# Altium PCB Bran_Main_Assay_PCB_v1.PcbDoc (part 3 of 4) (continued)
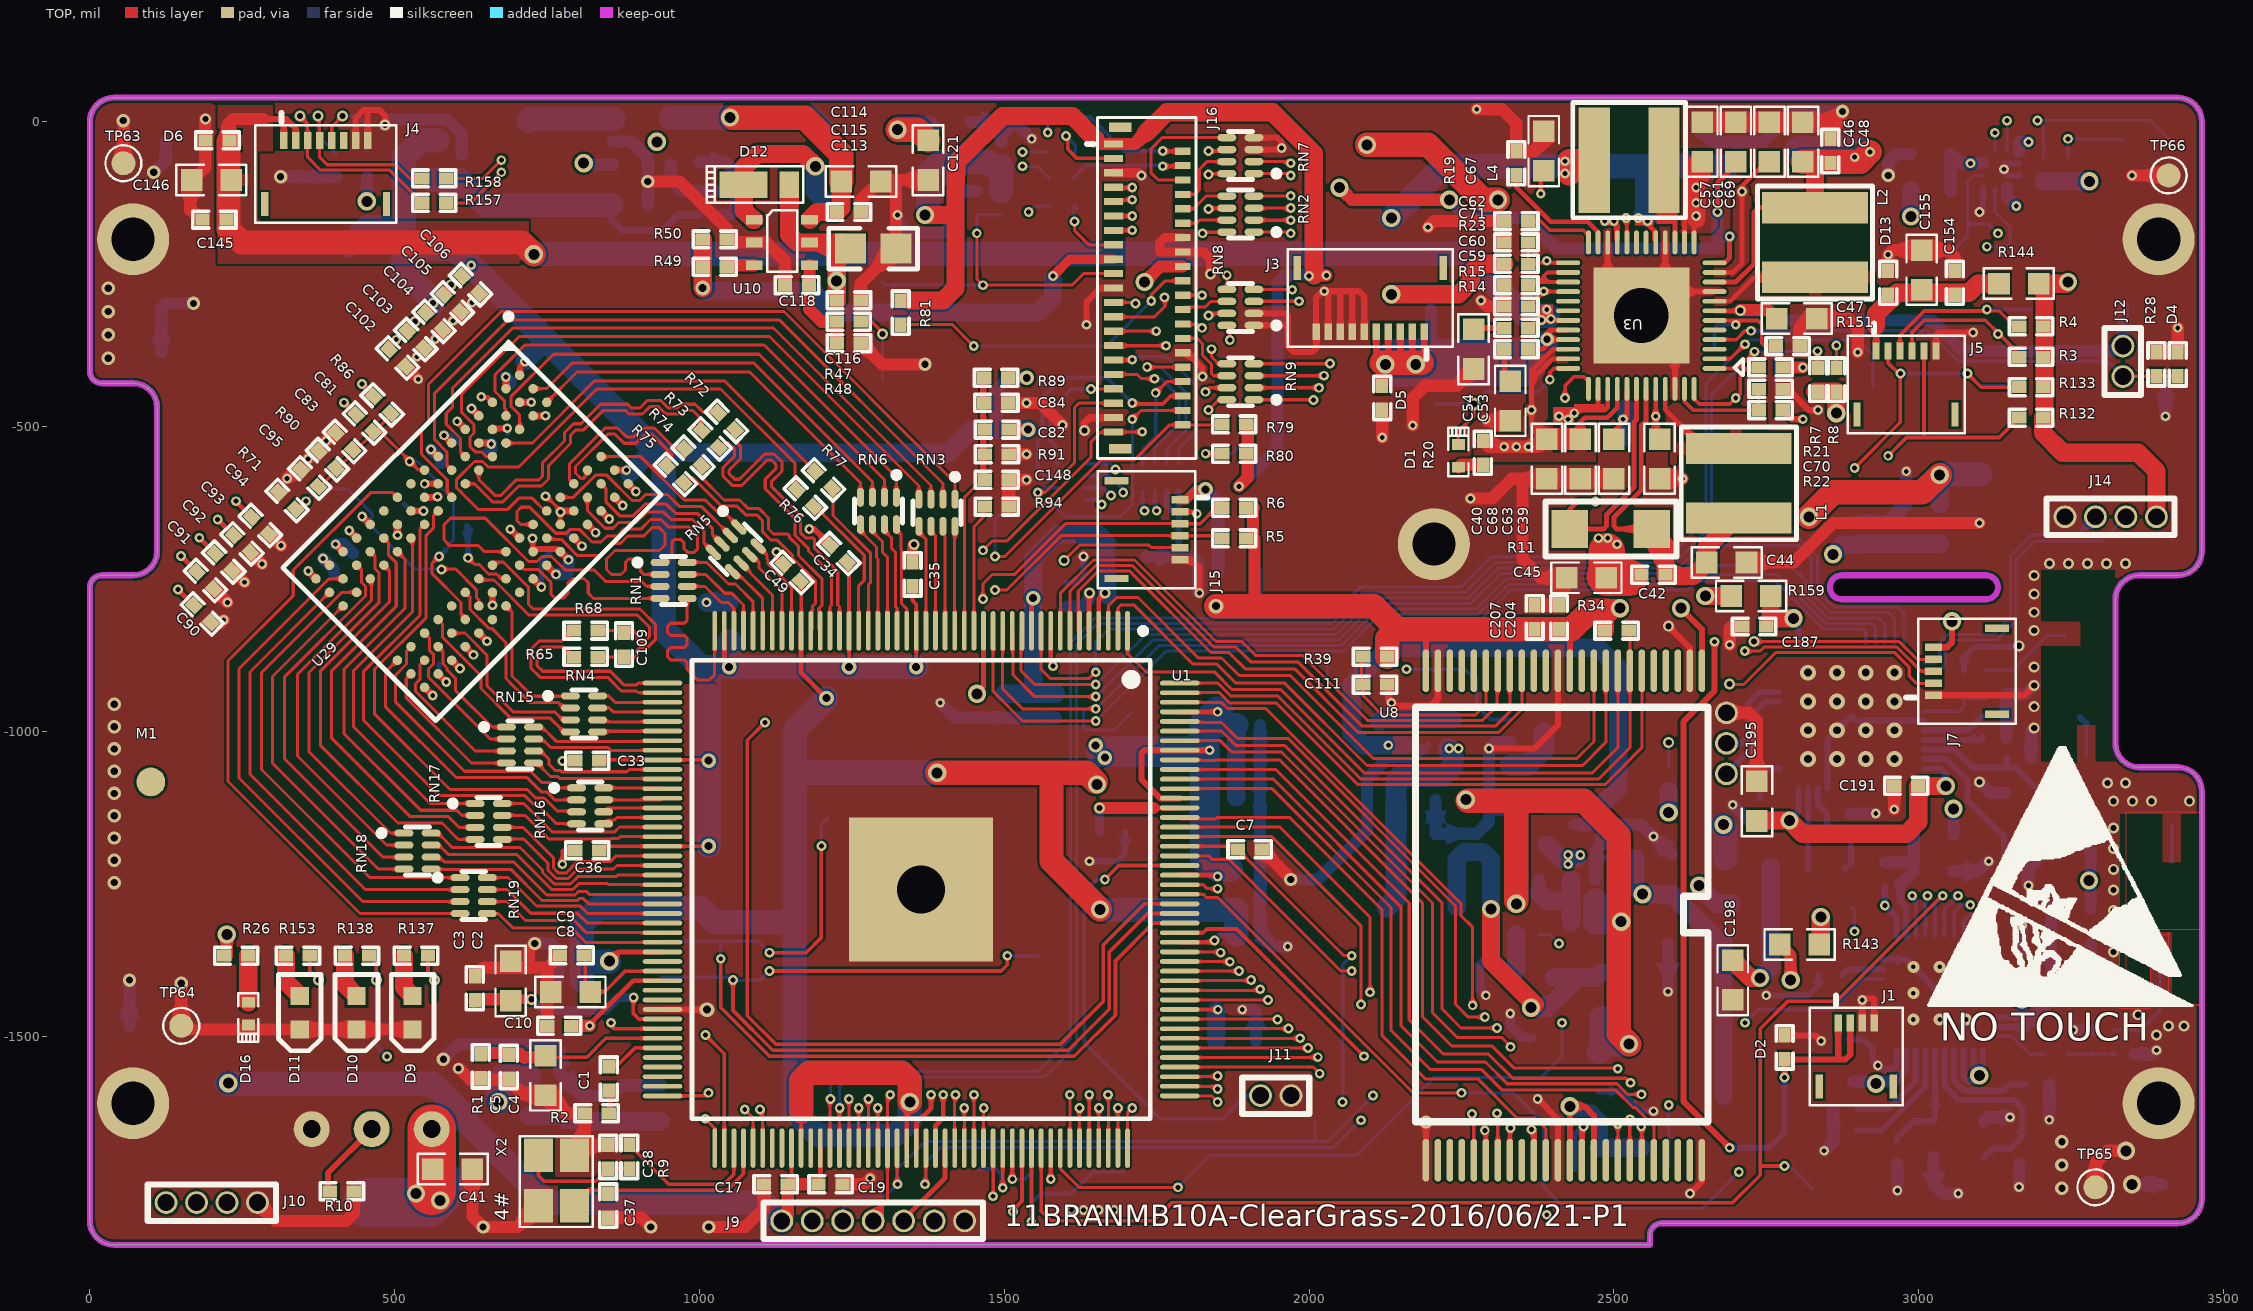
[diagram p0: TOP view]
## Nets (pads, with @x,y where several pads share a name; then routed paths per layer and width w, separated by ;. In a path a pad name is that pad's centre, name@x,y a point inside that pad or via, vN(x,y) a via of type N, cw(c..) or ccw(c..) an arc to the next point about the centre after c; other vN are vias at no path point) (continued)
  Singal w5: v1(1710,-108.15) 1775,-108.15 v1(1835,-48.15)
N16976088: J16.8 RN7.7 | length 114.6
  TOP w5: J16.8@1792.53,-119.29 1812.37,-119.29 1820.5,-111.16 1820.5,-77.5 1832.37,-65.63 1864.96,-65.63 RN7.7@1865.12,-65.47
N16976091: J16.9 RN7.8 | length 201.9
  TOP w5: J16.9@1679.34,-131.1 1682.29,-128.15 v1(1710,-128.15) ; v1@1840.84,-85.16 RN7.8@1865.12,-85.16
  TOP w6: v1@1839.37,-86.63 v1@1840.84,-85.16
  Singal w5: v1(1710,-128.15) 1793.48,-128.15 v1(1835,-86.63)
  Singal w6: v1@1839.37,-86.63 v1@1840.37,-87.63
N16976439: J16.15 R54.1 | length 121.5
  TOP w5: v1@1615,-163.15 1615,-163.63 1615,-178.15 1638.82,-201.97 J16.15@1679.34,-201.97
  BOTTOM w5: v1@1614.69,-162.94 R54.1@1614.69,-138.15 R54.1@1620,-143.46
  other v1: 1615.37,-163.63
N16977236: J16.25 RN8.5 | length 259.8
  TOP w5: J16.25@1679.34,-320.08 1746.37,-320.08 1764.37,-302.08 1764.37,-289.74 v1(1762.77,-288.14) ; RN8.5@1865.12,-275.1 v1(1865.12,-251.75) v1@1865.12,-248.27
  Singal w5: v1(1762.77,-288.14) 1762.77,-273.63 1767.57,-268.83 1848.04,-268.83 v1(1865.12,-251.75)
N16977237: J16.24 RN8.6 | length 78.2
  TOP w5: J16.24@1792.53,-308.27 1797.15,-303.65 1830.15,-303.65 1839.01,-294.79 RN8.6@1865.12,-294.79
N16977238: J16.23 RN8.7 | length 193.8
  TOP w5: J16.23@1679.34,-296.46 v1@1713.31,-296.46 ; v1(1835,-318.15) 1838.68,-314.47 RN8.7@1865.12,-314.47
  Singal w5: v1@1715,-298.15 v1@1715.13,-298.28 ; v1(1715.26,-298.15) 1735.26,-318.15 v1(1835,-318.15)
N16977239: J16.22 RN8.8 | length 169.1
  TOP w5: J16.22@1792.53,-284.65 v1(1824.37,-284.63) ; RN8.8@1865.12,-334.16 1870,-339.04 v1(1870,-358.15)
  Singal w5: v1(1824.37,-284.63) 1856.48,-284.63 1870,-298.15 v1(1870,-358.15)
N16977240: J16.29 RN9.5 | length 206.9
  TOP w5: v1(1840,-373.15) 1840,-385.42 1849,-394.42 1849,-397.1 RN9.5@1865.12,-397.1
  TOP w6: J16.29@1679.34,-367.32 1765.06,-367.32 v1(1765.37,-367.63)
  Singal w5: v1(1765.37,-367.63) 1770.89,-373.15 v1(1840,-373.15)
N16977241: J16.28 RN9.6 | length 118.4
  TOP w5: J16.28@1792.53,-355.51 1816.37,-355.51 1825.5,-364.64 1825.5,-383.65 1840,-398.15 1840,-413.66 1843.13,-416.79 RN9.6@1865.12,-416.79 RN9.6@1864.96,-416.63
N16977242: J16.27 RN9.7 | length 253.9
  TOP w5: J16.27@1679.34,-343.7 1749.37,-343.7 v1(1749.37,-343.63)
  TOP w6: v1(1830,-443.15) 1836.68,-436.47 RN9.7@1865.12,-436.47
  Singal w5: v1(1749.37,-343.63) 1749.37,-384.63 1807.89,-443.15 v1(1830,-443.15)
N16977243: J16.26 RN9.8 | length 255.4
  TOP w5: J16.26@1792.53,-331.89 1793.29,-332.65 1818.87,-332.65 v1(1824.37,-338.15) ; v1(1835,-473.15) 1851.99,-456.16 RN9.8@1865.12,-456.16
  Singal w5: v1(1824.37,-338.15) 1825.51,-338.15 1872.37,-385.01 1872.37,-463.63 1865.37,-470.63 v1@1837.52,-470.63
N16977551: J16.34 RN10.5 | length 178.3
  TOP w5: v1(1748.37,-444.78) 1766.77,-426.38 J16.34@1792.53,-426.38
  BOTTOM w6: RN10.5@1727.19,-562.57 1727.37,-562.39 1727.37,-537.63 1748.37,-516.63 v1(1748.37,-444.78)
N16977552: J16.33 RN10.6 | length 250.7
  TOP w5: J16.33@1679.34,-414.57 1717.94,-414.57 1725,-421.63 v1(1746.37,-421.63)
  BOTTOM w5: v1(1746.37,-421.63) 1757.37,-421.63 1786.37,-450.63 1786.37,-495.63 1746.37,-535.63 1746.37,-562.05 RN10.6@1746.88,-562.57
N16977553: J16.32 RN10.7 | length 270.9
  TOP w5: v1(1734.37,-402.63) 1734.5,-402.76 J16.32@1792.53,-402.76
  BOTTOM w5: v1(1734.37,-402.63) 1756.37,-402.63 1798.37,-444.63 1798.37,-505.63 1766.37,-537.63 1766.37,-562.37 RN10.7@1766.56,-562.57
N16977554: J16.31 RN10.8 | length 304.2
  TOP w5: J16.31@1679.34,-390.94 1710,-390.94 1714.95,-390.94 v1@1715.26,-390.63
  BOTTOM w5: v1(1710,-390.63) 1715,-385.63 1766.87,-385.63 1815.37,-433.63 1815.37,-507.78 1786.25,-536.89 RN10.8@1786.25,-562.57
N16977555: J16.38 RN11.5 | length 380.2
  TOP w5: v1@1710.48,-488.15 v1(1710,-488.15) 1724.53,-473.62 J16.38@1792.53,-473.62
  BOTTOM w5: RN11.5@1587.12,-620.16 1587.12,-635.27 1599.48,-647.63 1690.52,-647.63 1710,-628.15 v1(1710,-488.15)
N16977556: J16.37 RN11.6 | length 273.5
  TOP w5: v1(1555,-608.15) 1566.85,-608.15 1615.37,-559.63 1615.37,-468.81 1622.37,-461.81 J16.37@1679.34,-461.81
  BOTTOM w5: v1(1555,-608.15) 1557.45,-608.15 1565.13,-600.47 RN11.6@1587.12,-600.47
N16977557: J16.36 RN11.7 | length 422.6
  TOP w6: v1@1711.52,-463.15 1760,-463.15 1773.15,-450 J16.36@1792.53,-450
  BOTTOM w6: RN11.7@1587.12,-580.79 1565.13,-580.79 1555,-570.66 1555,-524.22 1562.64,-516.57 1562.64,-452.36 1595.37,-419.63 1668,-419.63 v1(1710,-461.63)
N16977558: J16.35 RN11.8 | length 212.4
  TOP w5: v1(1642.37,-438.63) 1641.93,-438.19 1642.37,-438.19 J16.35@1679.34,-438.19
  BOTTOM w6: RN11.8@1587.12,-561.1 1585,-558.98 1585,-533.73 1575,-523.73 1575,-473.63 1610,-438.63 v1(1642.37,-438.63)
N16978242: J16.10 RN2.5 | length 81.9
  TOP w5: J16.10@1792.53,-142.91 1811.32,-142.91 1811.32,-141.83 1831.05,-122.1 RN2.5@1865.12,-122.1
N16978245: J16.11 RN2.6 | length 185.5
  TOP w5: J16.11@1679.34,-154.72 v1@1708.43,-154.72 ; v1@1836.36,-141.79 RN2.6@1865.12,-141.79
  Singal w5: v1(1710,-154.72) 1720.09,-144.63 ; 1721.57,-143.15 v1(1835,-143.15)
N16978418: J16.12 RN2.7 | length 74.7
  TOP w5: J16.12@1792.53,-166.54 1815.09,-166.54 1820.16,-161.47 RN2.7@1865.12,-161.47
N16978424: J16.13 RN2.8 | length 200.8
  TOP w5: J16.13@1679.34,-178.35 v1@1709.72,-178.35
  TOP w6: v1(1825,-183.15) 1826.99,-181.16 RN2.8@1865.12,-181.16
  Singal w5: v1(1710,-178.15) 1725,-163.15 1805,-163.15 v1(1825,-183.15)
N16981473: J15.1 R128.2 | length 303.6
  TOP w15: J15.1@1788.1,-620.08 1798.07,-620.08 1815,-603.15 v6(1830,-603.15)
  BOTTOM w20: v6(1830,-603.15) 1849.87,-623.02 R128.2@1849.87,-738.63 ; R128.2@1851.37,-738.63 1851.37,-627.63
N16986970: C154.2 C155.2 D13.1 J5.1 R144.1 | length 283.9
  TOP w10: J5.1@2930.12,-375.98 2930.12,-334.88
  TOP w30: 2930.12,-334.88 2930.12,-315.51 2955.87,-289.76 2965,-280.63 3005,-280.63 3059.37,-280.63 3082.52,-280.63 3097.52,-265.63 R144.1@3131.87,-265.63 ; R144.1@3132.62,-266.38 R144.1@3133.37,-265.63
N16987380: C156.1 C157.1 D15.1 J7.5 R145.1 | length 609.1
  TOP w10: J7.5@3024.42,-862.2 3047.09,-862.2 3054.57,-854.72 v2(3054.57,-819.72)
  POWER w30: v2(2859.57,-709.72) 2829.57,-709.72 2819.57,-719.72 2819.57,-784.72 2854.57,-819.72 v2(3054.57,-819.72)
  BOTTOM w30: v2(2859.57,-709.72) 2874.88,-694.41 D15.1@2899.57,-694.41 2901.75,-692.22 2934.57,-692.22 C157.1@2979.57,-692.22 R145.1@3034.57,-692.22
N16993544: C158.2 C159.2 D14.1 J6.1 R147.1 | length 218.1
  BOTTOM w30: R147.1@720,-1630.65 C159.2@775,-1630.65 782.19,-1637.83 C158.2@820,-1637.83 ; C158.2@821.93,-1639.77 855,-1639.77 J6.1@937.01,-1639.77
N16998285: C38.2 R9.1 X2.3 | length 194.9
  TOP w6: X2.3@735.94,-1695.47 735.94,-1729.03 735.88,-1729.03 745,-1738.15 830,-1738.15 850.16,-1717.99 850.32,-1717.83 R9.1@885,-1717.83
N17000932: D9.1 R137.2 | length 71.8
  TOP w30: R137.2@515.31,-1368.15 515.31,-1420.07 D9.1@529.37,-1434.13
N17000952: D10.1 R138.2 | length 74.1
  TOP w30: R138.2@418.44,-1368.15 418.44,-1414.58 418.13,-1414.89 D10.1@437.37,-1434.13
N17029739: R74.2 U29.C7 | length 273.3
  TOP w5: U29.C7@793.99,-593.96 786.59,-586.56 786.59,-561.39 845.44,-502.54 865.59,-502.54 880.59,-517.54 891.44,-517.54 906.44,-502.54 925.74,-502.54 958.15,-534.94 R74.2@974,-534.94
N17029768: R75.2 U29.B7 | length 271.6
  TOP w5: U29.B7@816.26,-571.69 816.26,-578.87 809.59,-585.54 805.92,-585.54 796.59,-576.21 796.59,-565.54 849.59,-512.54 861.44,-512.54 876.44,-527.54 895.59,-527.54 910.59,-512.54 921.59,-512.54 954.59,-545.54 954.59,-553.36 R75.2@945,-562.94
N17030637: R73.2 U29.G3 | length 519.9
  TOP w5: U29.G3@615.82,-593.97 631.05,-593.97 660.62,-623.54 677.74,-623.54 703.74,-597.54 740.94,-597.54 752.32,-586.15 752.32,-564.18 788.59,-527.9 788.59,-514.32 797.37,-505.54 809.96,-505.54 841.96,-473.54 878.44,-473.54 884.44,-479.54 906.59,-479.54 918.59,-467.54 932.44,-467.54 944.44,-479.54 967.74,-479.54 973.74,-473.54 988.59,-473.54 1002,-486.94 R73.2@1002,-504.94
N17030639: R72.2 U29.F3 | length 520.2
  TOP w5: U29.F3@638.1,-571.69 638.1,-586.87 664.77,-613.54 673.59,-613.54 699.59,-587.54 736.79,-587.54 742.32,-582.01 742.32,-560.03 778.59,-523.76 778.59,-510.17 793.22,-495.54 805.81,-495.54 824.59,-476.76 837.8,-463.54 882.59,-463.54 888.59,-469.54 902.44,-469.54 914.44,-457.54 936.59,-457.54 948.59,-469.54 963.59,-469.54 969.59,-463.54 992.74,-463.54 1005.15,-475.94 R72.2@1029,-475.94
N17030675: R77.2 U29.D3 | length 608.1
  TOP w5: U29.D3@682.64,-527.15 725.98,-527.15 827.59,-425.54 1041.67,-425.54 R77.2@1188,-571.94
N17030677: R76.2 U29.E7 | length 910.1
  TOP w5: U29.E7@749.45,-638.5 746.55,-638.5 725.59,-617.54 703.59,-617.54 684.59,-636.54 637.59,-636.54 610.02,-608.97 601.29,-600.65 601.29,-587.28 602.62,-585.94 630.82,-557.31 644.06,-557.31 653.29,-566.54 703.59,-566.54 831.59,-438.54 1034.6,-438.54 1156.61,-560.55 1156.61,-600.56 R76.2@1158,-601.94
N17031032: R71.2 U29.L8 | length 421.2
  TOP w5: R71.2@339.18,-637.12 v1(354.59,-622.54) ; v1(577.01,-734.79) 578.18,-733.62 599.67,-733.62 633.91,-767.86 633.91,-780.35 638.1,-784.54 U29.L8@638.1,-794.4
  BOTTOM w5: v1(354.59,-622.54) 374.59,-602.54 422.9,-602.54 462.63,-642.26 462.63,-650.31 460.51,-652.43 460.51,-662.21 531.92,-733.62 575.84,-733.62 v1(577.01,-734.79)
N17174183: Q1.1 U6.2 | length 75.6
  BOTTOM w30: Q1.1@2327.6,-1403.94 2340,-1391.54 U6.2@2340,-1333.43
N17176457: R151.2 TP48.1 U3.6 | length 214.5
  TOP w6: U3.6@2665.08,-326.02 v1@2700,-326.02 ; v1(2700,-333.15) 2700.37,-332.78 2700.37,-326.02 2735.66,-326.02 2742.78,-333.15 2742.78,-363.43 2747.5,-368.15 R151.2@2765.31,-368.15
  BOTTOM w6: TP48.1@2665.08,-373.27 2665.08,-338.07 2670,-333.15 v1(2700,-333.15)
N17203058: D11.1 R153.2 | length 75.4
  TOP w30: R153.2@321.56,-1368.15 321.56,-1411.32 D11.1@344.37,-1434.13
N17337105: C173.1 U7.4 | length 177.6
  BOTTOM w10: U7.4@3058.19,-1523.23 3058.19,-1573.15 3074.77,-1589.72 3139.57,-1589.72 3149.57,-1579.72 C173.1@3174.88,-1579.72
N17337153: C175.2 U7.8 | length 165.7
  BOTTOM w10: C175.2@2899.25,-1619.72 2949.57,-1619.72 2995.2,-1574.09 U7.8@2995.2,-1523.23
N17337155: C176.2 U7.7 | length 201.4
  BOTTOM w10: C176.2@2899.25,-1654.72 2939.57,-1654.72 3010.94,-1583.35 U7.7@3010.94,-1523.23
N17337267: R156.2 U7.40 | length 88.9
  BOTTOM w5.7: U7.40@3128.07,-1500.59 3153.1,-1500.59 3182.23,-1529.72 R156.2@3204.88,-1529.72
N17337269: C181.2 C182.1 R156.1 | length 65.6
  BOTTOM w5.7: R156.1@3244.25,-1529.72 C182.1@3284.25,-1529.72 ; C182.1@3284.57,-1529.41 3309.25,-1529.41
  BOTTOM w10: C182.1@3284.25,-1529.72 C182.1@3284.57,-1529.41 ; C181.2@3319.25,-1529.72 C181.2@3319.57,-1529.41
N17337273: A1.1 C181.1 C183.1 | length 201.2
  BOTTOM w5.7: C181.1@3319.57,-1490.04 C183.1@3354.57,-1490.04 ; C183.1@3364.25,-1490.04 3395.87,-1458.43 A1.1@3395.87,-1346.65
  BOTTOM w10: C183.1@3354.57,-1490.04 C183.1@3364.25,-1490.04
N17338399: C186.1 U11.1 | length 73.5
  BOTTOM w10: C186.1@2739.57,-1110.04 2739.57,-1071.77 2750,-1061.34 U11.1@2770.47,-1061.34
N17338448: C188.1 L10.2 U11.30 | length 130.6
  BOTTOM w5.7: U11.30@3008.66,-966.85 3066.3,-966.85 3074.57,-958.58 C188.1@3074.57,-944.41
  BOTTOM w10: L10.2@3109.57,-944.41 C188.1@3079.57,-944.41 ; C188.1@3079.57,-944.41 C188.1@3074.57,-939.41 3074.57,-944.41 C188.1@3079.57,-944.41
N17338491: C189.1 U11.32 | length 106
  BOTTOM w10: U11.32@3008.66,-998.35 3081.26,-998.35 C189.1@3104.88,-974.72
N17338493: C190.1 U11.33 | length 98
  BOTTOM w10: U11.33@3008.66,-1014.09 3100.51,-1014.09 C190.1@3104.88,-1009.72
N17338533: C193.2 U11.34 X3.1 | length 235.6
  BOTTOM w10: U11.34@3008.66,-1029.84 3059.48,-1029.84 3089.47,-1059.82 3144.57,-1059.82 ; C193.2@3144.88,-1044.72 3144.57,-1045.04 3144.57,-1059.82 ; X3.1@3197.13,-1101.26 3197.13,-1097.28 3159.67,-1059.82 3144.57,-1059.82
N17338541: C192.2 U11.35 X3.3 | length 256.4
  BOTTOM w10: U11.35@3008.66,-1045.59 3045,-1045.59 3080,-1080.59 3080,-1113.15 3137.17,-1170.32 3139.88,-1170.32 C192.2@3139.88,-1224.72
N17338610: L8.2 U11.47 | length 131.3
  BOTTOM w10: U11.47@2818.7,-1093.82 2818.7,-1223.86 L8.2@2819.57,-1224.72
N17338612: L8.1 L9.2 | length 59
  BOTTOM w10: L8.1@2879.57,-1224.72 2880.82,-1223.47 2889.25,-1215.04 L9.2@2889.25,-1169.72
N17338614: C194.2 L9.1 U11.46 | length 82.3
  BOTTOM w10: U11.46@2834.45,-1093.82 2834.45,-1119.61 2849.72,-1134.88 2849.88,-1135.04 L9.1@2849.88,-1169.72
N17361075: D8.1 J4.3 R157.1 | length 358.3
  TOP w5: v3(344.37,9.37) 357.28,-3.54 J4.3@357.28,-30.71 357.28,-58.54 378.37,-79.63 491.8,-79.63 R157.1@545.32,-133.15
  BOTTOM w5: v3(344.37,9.37) 354.37,-0.63 D8.1@354.37,-50.94 D8.1@354.37,-52.63
N167142980: C53.1 R14.1 | length 56.5
  TOP w10: R14.1@2320.32,-373.15 2320.32,-415.96 C53.1@2330,-425.65
N173366961: A1.2 R160.2 | length 60.1
  BOTTOM w5.7: A1.2@3415,-1212.36 R160.2@3415,-1152.83
  BOTTOM w10: A1.2@3414.57,-1212.8 A1.2@3415,-1212.36
N173382921: A2.2 R161.2 | length 66.1
  BOTTOM w5.7: R161.2@3275,-1038.46 A2.2@3275,-987.09
  BOTTOM w10: A2.2@3264.57,-976.65 A2.2@3275,-987.09
NALE: U1.7 U8.17 | length 990.1
  TOP w5: U1.7@1607.68,-835.33 1607.68,-770.47 1650,-728.15 1710,-728.15 1843.48,-861.63 1879.87,-861.63 1904.37,-886.13 1981.37,-886.13 2086.39,-991.15 2306.41,-991.15 2329.41,-968.15 U8.17@2329.41,-900.63
NCE0-N: U1.2 U8.9 | length 1082.7
  TOP w5: U1.2@1686.42,-835.33 1686.42,-797.63 1691.42,-792.63 1712.37,-792.63 1809.37,-889.63 1848.37,-889.63 1879.37,-920.63 1959.37,-920.63 2095,-1056.26 2448.78,-1056.26 2486.89,-1018.15 U8.9@2486.89,-900.63
NCE1-N: U1.3 U8.10 | length 1080.2
  TOP w5: U1.3@1670.68,-835.33 1670.68,-794.63 1684.68,-780.63 1719.37,-780.63 1818.37,-879.63 1856.37,-879.63 1885.37,-908.63 1969.37,-908.63 2105.39,-1044.65 2439.35,-1044.65 2467.29,-1016.71 2467.2,-1016.63 U8.10@2467.2,-900.63
NCLE: U1.6 U8.16 | length 997.9
  TOP w5: U1.6@1623.43,-835.33 1621.37,-835.33 1621.37,-769.86 1654.03,-737.2 1706.15,-737.2 1709.95,-741.01 1709.95,-741.58 1839,-870.63 1868.37,-870.63 1895.37,-897.63 1976.37,-897.63 2080.39,-1001.65 2311.5,-1001.65 2349.37,-963.78 2349.37,-900.91 U8.16@2349.09,-900.63
ND0: U1.174 U8.29 | length 1029.4
  TOP w5: U1.174@1787.8,-952.44 1856.15,-952.44 1866.34,-962.63 1929.1,-962.63 2249.37,-1282.9 2249.37,-1302.52 2268.37,-1321.52 v1(2268.37,-1449.63)
  TOP w6: v1(2267.37,-1627.63) 2269.37,-1629.63 2270.35,-1629.63 U8.29@2270.35,-1703.78
  Singal w5: v1(2267.37,-1627.63) 2267.37,-1450.63 v1(2268.37,-1449.63)
ND1: U1.172 U8.30 | length 1032.8
  TOP w5: U1.172@1787.8,-983.94 1787.8,-985.63 1856.37,-985.63 1882.37,-1011.63 1965.37,-1011.63 2240.37,-1286.63 2240.37,-1447.94 2261.37,-1468.94 v1(2288.37,-1468.63)
  TOP w6: v1(2288.37,-1654.63) 2290.04,-1656.3 U8.30@2290.04,-1703.78
  Singal w5: v1(2288.37,-1654.63) v1(2288.37,-1468.63)
ND2: U1.171 U8.31 | length 1041.9
  TOP w5: U1.171@1787.8,-999.69 1856.37,-999.69 1880.34,-1023.66 1960.4,-1023.66 2218.37,-1281.63 2218.37,-1455.63 2249.37,-1486.63 v1(2308.37,-1486.63)
  TOP w6: v1(2308.37,-1626.63) 2309.72,-1627.98 U8.31@2309.72,-1703.78
  Singal w5: v1(2308.37,-1626.63) v1(2308.37,-1486.63)
ND3: U1.170 U8.32 | length 1043.2
  TOP w5: U1.170@1787.8,-1015.44 1854.37,-1015.44 1873.06,-1034.13 1954.87,-1034.13 2202.37,-1281.63 2202.37,-1461.63 2243.37,-1502.63 2316.37,-1502.63 2330.37,-1516.63 v1(2330.37,-1517.63)
  TOP w6: U8.32@2329.41,-1703.78 2329.41,-1651.59 v1(2330.37,-1650.63)
  Singal w5: v1(2330.37,-1650.63) v1(2330.37,-1517.63)
ND4: U1.168 U8.41 | length 1188.4
  TOP w5: U1.168@1787.8,-1046.94 1788.51,-1047.65 1846.01,-1047.65 1846.72,-1046.94 1951.37,-1046.94 2186.37,-1281.94 2186.37,-1468.63 2234.37,-1516.63 2300.37,-1516.63 2336.37,-1552.63 2505.37,-1552.63 v1(2506.37,-1553.63) ; U8.41@2506.57,-1703.78 v1@2506.57,-1644.72
  Singal w5: v1(2506.37,-1644.52) v1(2506.37,-1553.63)
ND5: U1.167 U8.42 | length 1192.5
  TOP w5: U1.167@1787.8,-1062.69 1945.37,-1062.69 2164.32,-1281.63 2164.32,-1473.63 2164.37,-1473.63 2220.37,-1529.63 2294.37,-1529.63 2333.94,-1569.2 2519.94,-1569.2 v1(2527.37,-1576.63)
  TOP w6: U8.42@2526.26,-1703.78 2526.26,-1636.74 v1(2526.37,-1636.63)
  Singal w5: v1(2526.37,-1636.63) 2526.37,-1577.63 v1(2527.37,-1576.63)
ND6: U1.166 U8.43 | length 1192.8
  TOP w5: U1.166@1787.8,-1078.44 1941.37,-1078.44 2150.57,-1287.63 2150.57,-1482.63 2210.57,-1542.63 2289.37,-1542.63 2325,-1578.26 ; 2325.06,-1578.2 2505.06,-1578.2 2522.48,-1595.63 v1(2545.37,-1595.63)
  TOP w6: U8.43@2545.94,-1703.78 v1@2545.94,-1649.09
  Singal w6: v1(2545,-1648.15) v1@2545,-1596
ND7: U1.165 U8.44 | length 1181.2
  TOP w5: U1.165@1787.8,-1094.19 1939.37,-1094.19 2134.37,-1289.19 2134.37,-1490.63 2198.37,-1554.63 2282.37,-1554.63 2315.89,-1588.15 2502.27,-1588.15 2531.31,-1617.19 2535.19,-1617.19 2565.63,-1647.63 U8.44@2565.63,-1703.78
NDQS: U1.162 U8.35 | length 987.2
  TOP w5: U1.162@1787.8,-1141.43 1790.6,-1144.22 1845.57,-1144.22 1848.37,-1141.43 1968.37,-1141.43 2119.37,-1292.43 2119.37,-1498.63 2191.37,-1570.63 2277.37,-1570.63 2341.37,-1634.63 2371.37,-1634.63 2388.37,-1651.63 2388.37,-1703.69 U8.35@2388.46,-1703.78
NMI-N: R21.1 U1.158 U3.48 | length 1939.3
  TOP w5: U1.158@1787.8,-1204.42 1835,-1204.42 1840.56,-1209.97 1868.71,-1209.97 2051.89,-1393.15 v1(2070,-1393.15)
  TOP w6: U3.48@2631.61,-438.23 2631.61,-454.76 2640,-463.15 2690,-463.15 v1(2700,-453.15) 2707.53,-445.62 2707.53,-414.76 2717.53,-404.76 2737.38,-404.76 2738.7,-404.76 2738.85,-404.62 R21.1@2740.32,-403.15
  Singal w6: v1(2070,-1393.15) 2091.01,-1393.15 2378.37,-1105.79 2378.37,-983.15 2380,-981.52 2380,-463.15 2405,-438.15 2685,-438.15 v1(2700,-453.15)
NRB0-N: R34.2 U1.176 U8.7 | length 1017.9
  TOP w5: U1.176@1787.8,-920.96 1850.12,-920.96 1871.12,-941.96 1948.37,-941.96 2084.56,-1078.15 2475,-1078.15 2526.37,-1026.78 2526.37,-900.74 U8.7@2526.26,-900.63 2526.26,-836.73 R34.2@2524.25,-834.72
NRB1-N: U1.175 U8.6 | length 971.9
  TOP w5: U1.175@1787.8,-936.71 1853.14,-936.71 1870.07,-953.63 1946.37,-953.63 2079.89,-1087.15 2486,-1087.15 2545.94,-1027.2 U8.6@2545.94,-900.63
NRE-N: U1.1 U8.8 | length 1066.8
  TOP w5: U1.1@1702.17,-835.33 1702.17,-872.63 1733.17,-903.63 1734.32,-902.48 1844.37,-902.48 1873.37,-931.48 1953.37,-931.48 2090,-1068.11 2465.04,-1068.11 2506.57,-1026.57 U8.8@2506.57,-900.63
NWE-N: U1.8 U8.18 | length 977.8
  TOP w5: U1.8@1591.94,-835.33 1591.94,-773.48 1646.27,-719.15 1713.73,-719.15 1847.21,-852.63 1889.37,-852.63 1912.37,-875.63 1989.37,-875.63 2095.89,-982.15 2284.55,-982.15 2308.55,-958.15 2308.55,-901.81 U8.18@2309.72,-900.63
NWP-N: C111.2 R39.2 U8.19 | length 341
  TOP w5: C111.2@2086.32,-923.63 R39.2@2086.32,-877.63 ; C111.2@2088.69,-923.63 2088.69,-941.83 2120,-973.15 2272.85,-973.15 2290.04,-955.96 U8.19@2290.04,-900.63
O_RESET: J7.2 J9.3 R131.2 TP27.1 U1.108 | length 2574.8
  TOP w5: v1@1324.22,-1742.37 U1.108@1324.22,-1683.75 U1.108@1325,-1684.53 ; v3(2689.37,-922.63) 2689.89,-923.15 2712.85,-923.15 2765,-871 2960.84,-871 2984.57,-894.72 2984.57,-909.72 2996.1,-921.26 J7.2@3024.42,-921.26
  Singal w5: v1(2105,-1597.64) 2105,-1564.16 2306.23,-1362.93 2365.74,-1362.93 2519.5,-1209.17 2519.5,-1038.65 ; v3(2590,-1018.15) 2560.5,-1018.15 2540,-1038.65 2519.5,-1038.65 ; v3(2689.37,-922.63) 2620.02,-922.63 2519.5,-1023.15 2519.5,-1038.65
  BOTTOM w5: J9.3@1235,-1803.15 1235,-1783.15 1255,-1763.15 1305,-1763.15 v1(1325,-1743.15) 1325,-1718.15 1370,-1673.15 2010,-1673.15 ; TP27.1@2010,-1638.15 2010,-1673.15 ; v1(2105,-1597.64) 2070.5,-1632.14 2070.5,-1632.65 2030,-1673.15 2010,-1673.15 ; R131.2@2590,-1058.46 v3(2590,-1018.15)
ODT: RN19.4 U29.K1 | length 1088.5
  TOP w5: U29.K1@504.47,-616.22 496.78,-608.54 460.59,-608.54 333.59,-735.54 333.59,-777.54 226.59,-884.54 226.59,-1082.54 443.12,-1299.07 RN19.4@607.36,-1299.07
P_RX_UART1: J6.5 TP23.1 U1.152 | length 1602.8
  TOP w6: v1(1055,-1408.15) 1055,-1458.15 1120,-1523.15 1605,-1523.15 1672.37,-1455.78 1672.37,-1361.9 1735.37,-1298.9 U1.152@1787.8,-1298.9 ; v1(1115,-1393.15) 1495,-1393.15 1505,-1383.15 v1(1505,-1368.15)
  BOTTOM w6: J6.5@937.01,-1403.55 1050.4,-1403.55 v1(1055,-1408.15) 1100,-1408.15 v1(1115,-1393.15) ; v1(1505,-1368.15) TP23.1@1555,-1368.15
P_TX_UART1: J6.6 TP22.1 U1.151 | length 1516
  TOP w6: v1@1035,-1374.63 1035,-1453.15 1115,-1533.15 1615,-1533.15 1682.37,-1465.78 1682.37,-1376.65 1744.37,-1314.65 U1.151@1787.8,-1314.65 ; v1(1115,-1363.15) 1175,-1363.15 1200,-1338.15 v1(1200,-1188.15)
  BOTTOM w6: J6.6@937.01,-1344.49 1035,-1344.49 ; v1(1035,-1373.15) 1035,-1344.49 ; v1(1115,-1363.15) 1096.34,-1344.49 1035,-1344.49 ; v1(1200,-1188.15) 1200,-1153.15 TP22.1@1210,-1143.15
RAS: RN16.3 U29.J3 | length 774.7
  TOP w5: U29.J3@571.28,-638.51 563.4,-646.39 563.4,-666.72 551.59,-678.54 551.59,-813.69 466.59,-898.69 466.59,-971.39 590.74,-1095.54 717.68,-1095.54 731.44,-1109.3 745.2,-1109.3 766.44,-1130.54 796.72,-1130.54 RN16.3@798.45,-1132.25
RESET-N: C7.2 C71.2 J9.6 R23.1 U1.159 U3.25 | length 2788.2
  TOP w5: C7.2@1880.32,-1193.63 C7.2@1881.5,-1194.81 ; C7.2@1882.69,-1193.63 2057.2,-1368.15 v1(2070,-1368.15)
  TOP w6: U1.159@1787.8,-1188.67 1875.36,-1188.67 C7.2@1880.32,-1193.63 ; C71.2@2359.69,-198.15 R23.1@2359.69,-233.15 2361.3,-231.54 2390,-231.54 U3.25@2424.92,-231.54
  Singal w6: J9.6@1400,-1793.15 1400,-1718.15 1442.52,-1675.63 1712.52,-1675.63 1745,-1643.15 2020,-1643.15 v1(2055,-1608.15) ; v1(2070,-1368.15) 2101.85,-1368.15 2117.37,-1352.63 2216.37,-1252.63 2216.37,-1063.15 2215,-1061.78 2215,-973.15 2295,-893.15 2295,-533.15 2330,-498.15 2330,-258.15 2360,-228.15 v1(2390,-228.15)
  BOTTOM w6: v1(2055,-1608.15) 2055,-1383.15 v1(2070,-1368.15)
RST: RN19.2 U29.T2 | length 775.6
  TOP w5: U29.T2@393.11,-772.12 262.59,-902.65 262.59,-1070.54 451.75,-1259.69 RN19.2@607.36,-1259.69
RTCVDD: C59.2 R21.2 U3.28 | length 661.8
  TOP w6: C59.2@2359.69,-303.15 2384.06,-278.78 2385,-278.78 U3.28@2424.92,-278.78
  TOP w20: R21.2@2776.75,-403.15 v1(2810,-403.15)
  Singal w20: v1(2385,-278.15) 2420,-278.15 2440,-298.15 2440,-403.15 2458,-421.15 2700.89,-421.15 2718.89,-403.15 v1(2810,-403.15)
SA0: RN17.5 U1.64 | length 305.8
  TOP w5: RN17.5@676.47,-1177.49 677.37,-1176.58 711.59,-1176.58 751.5,-1216.5 751.5,-1227.88 765.27,-1241.65 784.73,-1241.65 800.45,-1225.94 858.83,-1225.94 864.6,-1220.17 U1.64@939.38,-1220.17
SA1: RN15.7 U1.52 | length 219.2
  TOP w5: RN15.7@727.84,-1012.69 742.12,-1012.69 756,-1026.58 850.26,-1026.58 854.87,-1031.19 U1.52@939.38,-1031.19
SA2: RN18.7 U1.66 | length 414.5
  TOP w5: RN18.7@559.84,-1186.69 572.75,-1186.69 588.55,-1202.5 700.51,-1202.5 757.66,-1259.65 792.19,-1259.65 801.9,-1249.94 849.44,-1249.94 851.17,-1251.67 U1.66@939.38,-1251.67
SA3: RN18.8 U1.65 | length 422.7
  TOP w5: RN18.8@559.84,-1167.01 571.06,-1167.01 594.55,-1190.5 705.49,-1190.5 742.5,-1227.51 742.5,-1231.61 761.54,-1250.65 788.46,-1250.65 801.18,-1237.94 863.82,-1237.94 865.84,-1235.92 U1.65@939.38,-1235.92
SA4: RN15.8 U1.51 | length 233.2
  TOP w5: RN15.8@727.84,-993.01 741.52,-993.01 765.09,-1016.58 U1.51@927.97,-1016.58 ; U1.51@927.97,-1016.58 U1.51@939.38,-1015.44 929.1,-1015.44 U1.51@927.97,-1016.58
SA5: RN18.6 U1.67 | length 409.9
  TOP w5: RN18.6@559.84,-1206.38 573.59,-1206.38 581.71,-1214.5 695.53,-1214.5 749.68,-1268.65 795.92,-1268.65 802.03,-1262.54 814.49,-1262.54 819.36,-1267.4 U1.67@939.38,-1267.4
SA6: RN15.6 U1.54 | length 232
  TOP w5: RN15.6@727.84,-1032.38 739.43,-1032.38 753.33,-1046.28 753.33,-1054.43 763.2,-1064.3 771.65,-1064.3 773.78,-1066.43 880.63,-1066.43 884.37,-1062.69 U1.54@939.38,-1062.69
SA7: RN19.6 U1.71 | length 308.7
  TOP w5: RN19.6@651.84,-1279.38 683.43,-1279.38 714.59,-1310.54 794.57,-1310.54 814.44,-1330.4 U1.71@939.38,-1330.4
SA8: RN15.5 U1.55 | length 232
  TOP w5: U1.55@939.38,-1078.44 938.32,-1077.38 770.58,-1077.38 767.5,-1074.3 755.51,-1074.3 RN15.5@736.74,-1055.53 ; RN15.5@736.74,-1055.53 731.29,-1055.53 RN15.5@727.84,-1052.07 RN15.5@736.74,-1055.53
SA9: RN19.8 U1.69 | length 312
  TOP w5: RN19.8@651.84,-1240.01 686.06,-1240.01 732.7,-1286.65 803.37,-1286.65 803.49,-1286.54 804.53,-1286.54 816.9,-1298.9 U1.69@939.38,-1298.9
SA10: RN4.7 U1.48 | length 109.2
  TOP w5: RN4.7@832.84,-961.69 852.09,-961.69 858.59,-968.19 U1.48@939.38,-968.19
SA11: RN16.8 U1.56 | length 97
  TOP w5: RN16.8@842.93,-1092.88 938.08,-1092.89 U1.56@939.38,-1094.19
SA12: RN4.5 U1.50 | length 107.1
  TOP w6: RN4.5@832.84,-1001.07 834.2,-999.69 U1.50@939.38,-999.69
SA13: RN18.5 U1.68 | length 405.8
  TOP w5: RN18.5@559.84,-1226.07 560.26,-1226.5 690.55,-1226.5 741.7,-1277.65 799.65,-1277.65 802.76,-1274.54 809.51,-1274.54 818.13,-1283.15 U1.68@939.38,-1283.15
SA14: RN16.7 U1.57 | length 97.5
  TOP w5: RN16.7@842.93,-1112.57 936.73,-1112.58 U1.57@939.38,-1109.93
SBA0: RN17.6 U1.63 | length 315.5
  TOP w5: RN17.6@676.47,-1157.8 710.97,-1157.8 760.5,-1207.33 760.5,-1224.16 768.99,-1232.65 781.01,-1232.65 799.72,-1213.94 853.85,-1213.94 863.37,-1204.42 U1.63@939.38,-1204.42
SBA1: RN4.6 U1.49 | length 125.4
  TOP w5: RN4.6@832.84,-981.38 835.99,-984.54 U1.49@922.07,-984.54 ; U1.49@922.07,-984.54 U1.49@939.38,-983.94 922.66,-983.94 U1.49@922.07,-984.54
SBA2: RN17.7 U1.61 | length 280.7
  TOP w5: RN17.7@676.47,-1138.12 714.19,-1138.12 753.03,-1176.96 854.49,-1176.96 855.56,-1175.89 867.08,-1175.89 870.04,-1172.93 U1.61@939.38,-1172.93